# KiCad board JBX16SMD.kicad_pcb (continued)
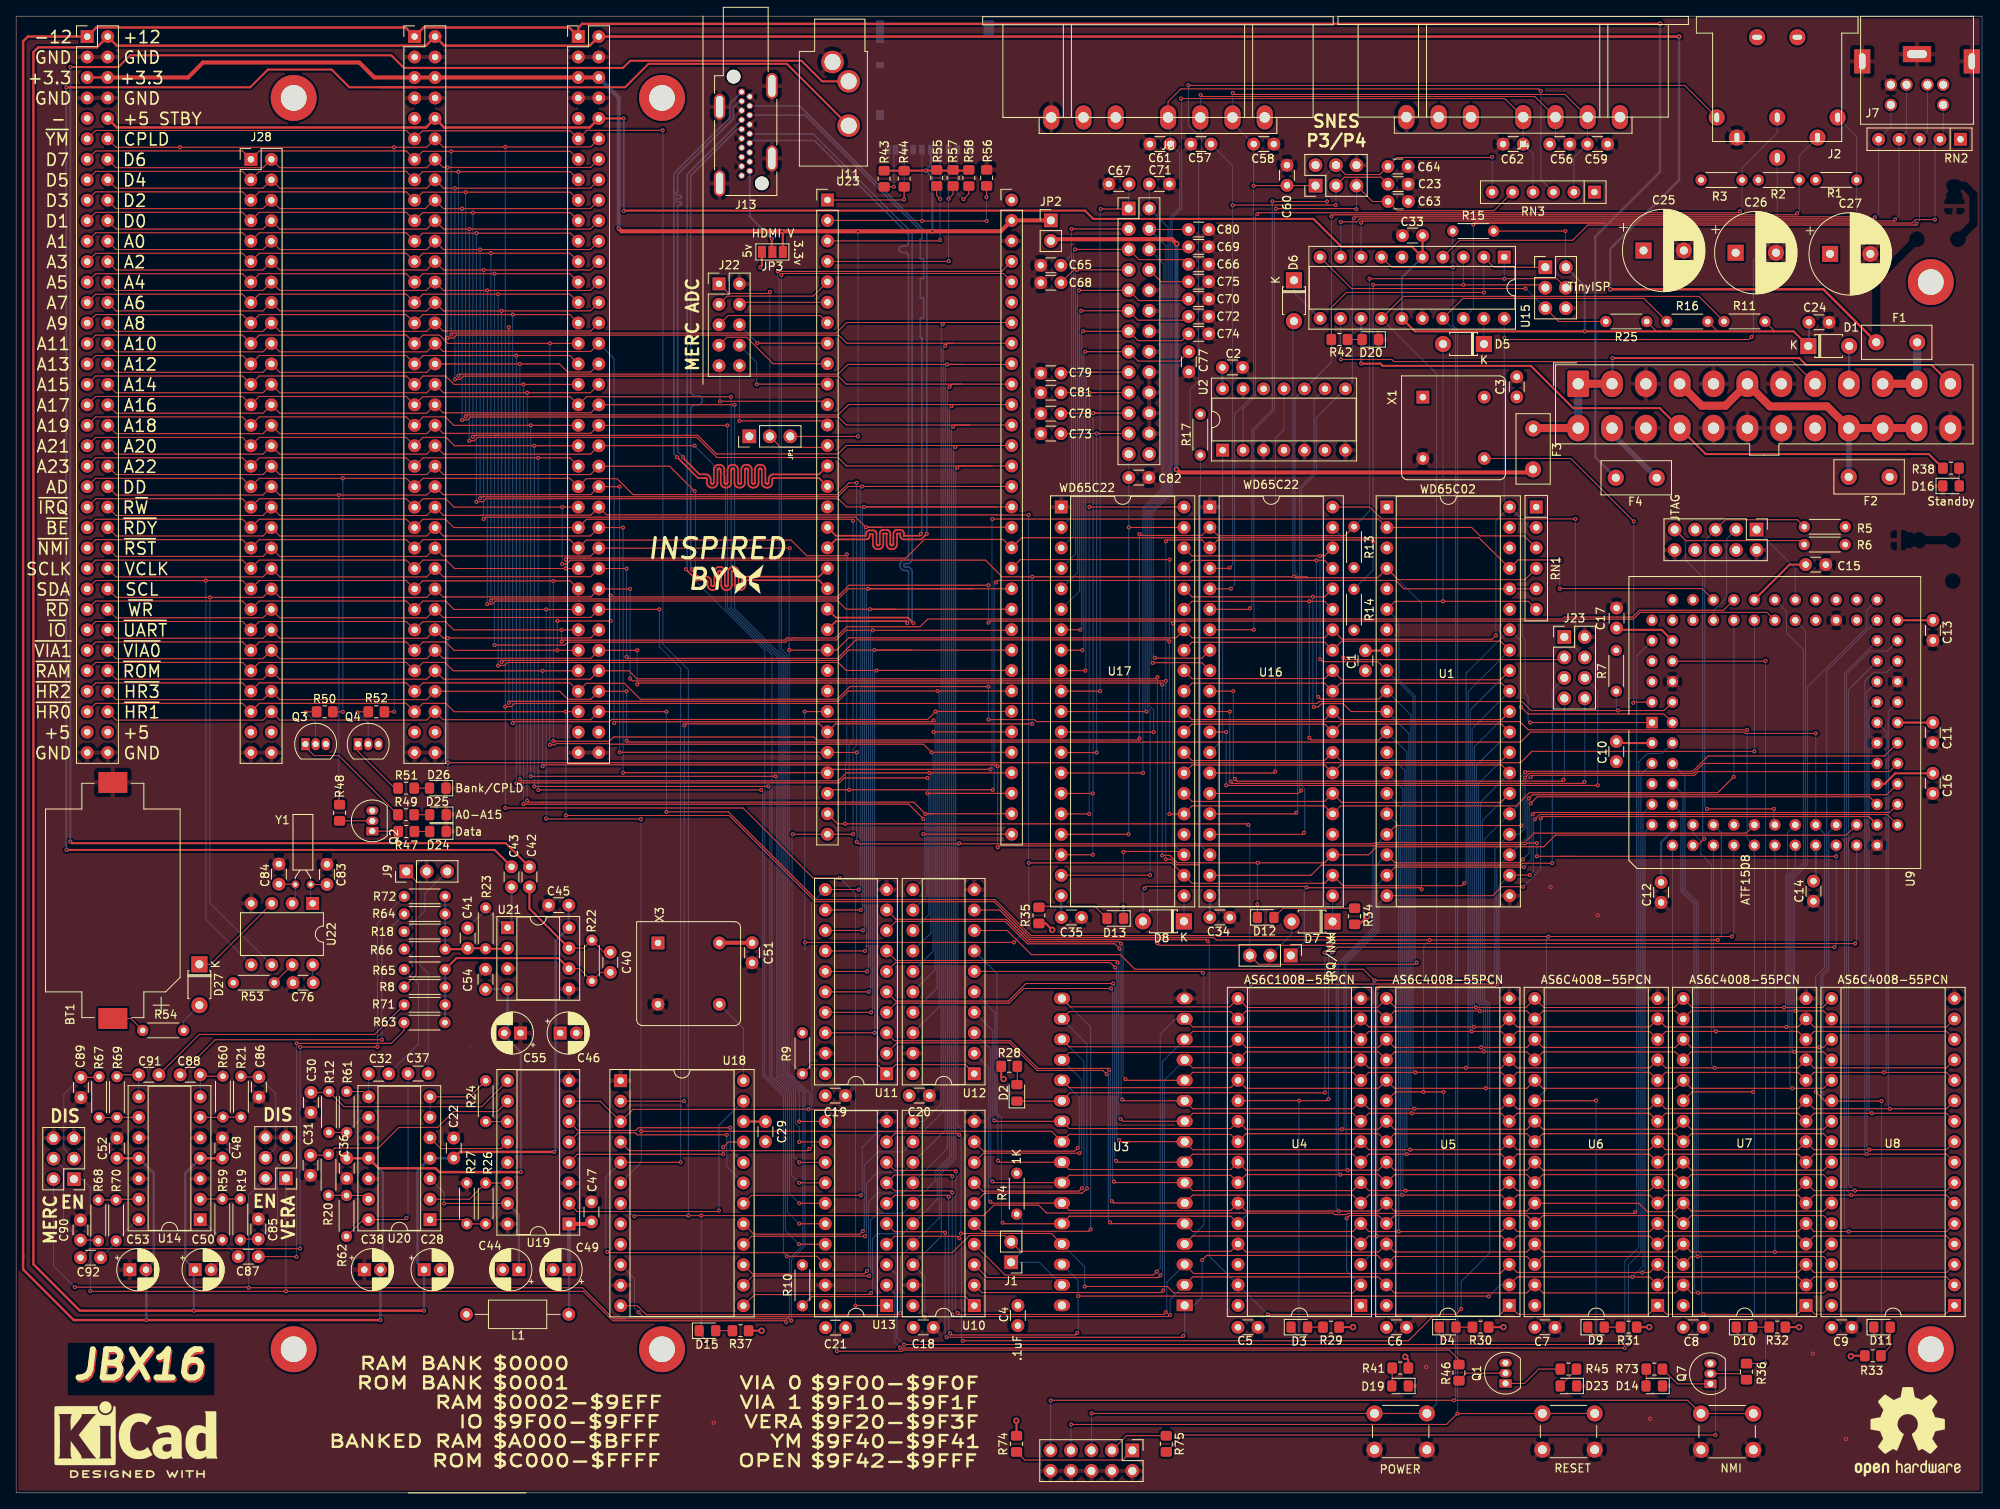
[diagram p0: board, top side]
## Routing (per net, layer and track width the routed paths; a pad name or vN(x,y) marks a point on that pad's centre or on a via; arc(x,y) is an arc through that point) (continued)
  Bottom w0.127: v1(53.56,164.56) v1(53.56,143.37) ; v1(105.1,32.49) 105.28,32.67 105.28,40.7 106.91,42.34 110.08,42.34 U10.12 115.08,47.34 115.08,142.15 v1(115.32,142.39)
bD7: length 287.6
  Top w0.127: 115.87,145.31 123.53,145.31 U23.58 ; 115.87,145.31 103.09,145.31 101.78,144 54.19,144 v1(54,143.81) ; 115.87,145.31 115.23,145.31 v1(115.01,145.09) ; J21.13 68.79,166.56 v1(54,166.56) 50.46,166.56 J12.13 48.42,166.61 30.18,166.61 J28.1 28.1,166.61 9.87,166.61 J20.13 ; v1(104.83,36.94) 91.28,36.94 U18.18
  Bottom w0.127: 54,144.57 54,144.3 ; 54,144.57 v1(54,166.56) ; 54,144.57 54,143.82 v1(54,143.81) ; v1(104.83,36.94) 105.02,37.14 105.02,42.93 106.9,44.81 110.01,44.81 U10.11 112.65,46.11 114.82,48.28 114.82,60.27 114.82,60.27 114.82,144.9 v1(115.01,145.09)
BE: length 246
  Top w0.127: v1(103.88,120.7) 103.69,120.88 70.82,120.88 J21.49 54.32,119.85 53.28,120.89 50.5,120.89 J12.49 48.42,120.89 30.18,120.89 J28.37 28.1,120.89 9.87,120.89 J20.49 ; U23.30 101.14,87.29 v1(103.39,87.29) v1(121.21,87.29) ; v1(121.59,113.04) 121.84,113.29 171.23,113.29 172.27,112.24 U1.36 RN1.5 188.68,112.25
  Bottom w0.127: v1(121.59,113.04) 121.38,112.83 121.38,87.46 v1(121.21,87.29) ; v1(103.88,120.7) 103.88,93.3 103.39,92.81 v1(103.39,87.29)
bUA16: length 175.9
  Top w0.127: J20.38 12.41,134.04 30.64,134.04 J28.26 32.72,134.04 50.96,134.04 J12.38 53,134.09 71.33,134.09 J21.38 72.33,135.09 v1(89.18,135.09) ; U13.11 97.21,46.11 v1(97.21,46.11)
  Bottom w0.127: v1(97.21,46.11) 97.21,49.79 95.19,51.81 95.19,103.77 89.18,109.79 v1(89.18,135.09)
bUA17: length 182.1
  Top w0.127: v1(88.74,136.09) 88.73,136.09 70.8,136.09 69.79,135.09 J21.37 68.78,136.09 50.46,136.09 J12.37 48.42,136.13 30.18,136.13 J28.25 28.1,136.13 9.87,136.13 J20.37 ; v1(97.21,43.57) 97.21,43.57 U13.12 100.42,43.56
  Bottom w0.127: v1(88.74,136.09) 88.74,109.87 94.94,103.66 94.94,51.7 96.76,49.88 96.76,45.86 97.21,45.41 v1(97.21,43.57)
bUA18: length 177.9
  Top w0.127: J20.40 12.41,131.5 30.64,131.5 J28.28 32.72,131.5 50.96,131.5 J12.40 52.99,131.55 71.33,131.55 J21.40 72.33,132.53 v1(88.3,132.53) ; U13.13 97.21,41.03 v1(97.21,41.03)
  Bottom w0.127: v1(97.21,41.03) 96.5,41.74 96.5,49.78 94.69,51.6 94.69,103.56 88.3,109.95 v1(88.3,132.53)
bUA19: length 192.4
  Top w0.127: v1(94.24,88.97) 63.87,88.97 v1(63.87,88.97) ; J21.39 v1(63.88,132.55) 54.32,132.55 53.28,133.59 50.5,133.59 J12.39 48.42,133.59 30.18,133.59 J28.27 28.1,133.59 9.87,133.59 J20.39 ; U13.14 v1(97.21,38.49)
  Bottom w0.127: v1(97.21,38.49) 96.25,39.45 96.25,49.67 94.43,51.49 94.43,88.78 v1(94.24,88.97) ; v1(63.88,132.55) 63.87,132.54 v1(63.87,88.97)
bUA20: length 178.1
  Top w0.127: J20.42 12.41,128.96 30.64,128.96 J28.30 32.72,128.96 50.96,128.96 J12.42 53.04,128.96 71.28,128.96 J21.42 72.33,130.01 v1(84.21,130.01) ; U13.15 v1(97.21,35.95)
  Bottom w0.127: v1(84.21,130.01) 88.04,126.18 88.04,109.84 93.8,104.08 93.8,51.76 95.99,49.57 95.99,37.17 v1(97.21,35.95)
bUA21: length 194
  Top w0.127: J20.41 9.87,131.05 28.1,131.05 J28.29 30.18,131.05 48.42,131.05 J12.41 50.5,131.05 53.37,131.05 54.41,130.01 v1(64.32,130.01) J21.41 ; v1(93.36,87.71) v1(64.32,87.71) ; U13.16 v1(97.21,33.41)
  Bottom w0.127: v1(93.36,87.71) 93.55,87.52 93.55,51.65 95.74,49.46 95.74,34.88 v1(97.21,33.41) ; v1(64.32,130.01) v1(64.32,87.71)
bUA22: length 178.8
  Top w0.127: v1(84.21,124.37) 81.11,127.47 J21.44 71.28,126.42 53.04,126.42 J12.44 50.96,126.42 32.72,126.42 J28.32 30.64,126.42 12.41,126.42 J20.44 ; U13.17 97.17,30.87 v1(97.17,30.87)
  Bottom w0.127: v1(97.17,30.87) 95.49,32.56 95.49,49.36 92.92,51.92 92.92,104.6 84.32,113.21 84.32,124.26 v1(84.21,124.37)
bUA23: length 196.9
  Top w0.127: J20.43 9.87,128.51 28.1,128.51 J28.31 30.18,128.51 48.42,128.51 J12.43 50.5,128.51 v1(64.8,128.51) 68.74,128.51 J21.43 ; U13.18 99.38,29.38 v1(95.67,29.38) ; v1(92.48,87.27) v1(64.81,87.27)
  Bottom w0.127: v1(64.81,87.27) 64.81,128.49 v1(64.8,128.51) ; v1(95.67,29.38) 95.23,29.82 95.23,49.25 92.67,51.82 92.67,87.08 v1(92.48,87.27)
CH1: length 26.6
  Top w0.127: U19.9 57.78,47.95 40.71,47.95 R12.2 38.72,49.73 C30.1
CH2: length 27.2
  Top w0.127: C31.1 38.67,41.93 R20.2 39.56,42.82 44.95,42.82 47.51,45.38 52.34,45.38 54.29,47.34 59.71,47.34 U19.10
CLK: length 46.7
  Top w0.127: v1(200.71,98.09) 200.8,98.18 U9.83 ; X1.5 192.97,128.42 v1(200.78,120.62)
  Bottom w0.127: v1(200.71,98.09) 200.78,98.16 v1(200.78,120.62)
clk+: length 86.5
  Top w0.2: U23.21 101.75,108.67 110.69,108.67 v1(111.36,108)
  Bottom w0.2: J13.10 98.9,168.73 111.21,156.42 111.21,115.96 111.2,115.83 111.15,115.7 111.08,115.59 110.99,115.49 110.87,115.42 110.75,115.38 110.61,115.36 110.35,115.36 110.31,115.36 110.27,115.35 110.23,115.32 110.2,115.29 110.18,115.26 110.17,115.22 110.16,115.18 110.16,115.15 110.17,115.11 110.18,115.07 110.2,115.03 110.23,115 110.27,114.98 110.31,114.97 110.35,114.96 110.61,114.96 110.75,114.95 110.87,114.9 110.99,114.83 111.08,114.74 111.15,114.62 111.2,114.5 111.21,114.36 111.21,108.15 v1(111.36,108)
clk-: length 86.5
  Top w0.2: U23.22 101.75,108.22 110.5,108.22 110.61,108.11 v1(110.61,108)
  Bottom w0.2: J13.12 91.38,167.9 99.1,167.9 110.76,156.24 110.76,155.2 110.75,155.11 110.72,155.03 110.67,154.95 110.61,154.89 110.54,154.84 110.45,154.81 110.36,154.8 110.01,154.8 109.92,154.79 109.84,154.76 109.76,154.71 109.7,154.65 109.65,154.57 109.62,154.49 109.61,154.4 109.62,154.31 109.65,154.23 109.7,154.15 109.76,154.09 109.84,154.04 109.92,154.01 110.01,154 110.36,154 110.45,153.99 110.54,153.96 110.61,153.91 110.67,153.85 110.72,153.77 110.75,153.69 110.76,153.6 110.76,116 110.76,115.96 110.74,115.92 110.72,115.88 110.69,115.85 110.66,115.83 110.62,115.82 110.57,115.81 110.31,115.81 110.18,115.8 110.05,115.75 109.94,115.68 109.84,115.59 109.77,115.47 109.73,115.35 109.71,115.21 109.71,115.11 109.73,114.98 109.77,114.85 109.84,114.74 109.94,114.64 110.05,114.57 110.18,114.53 110.31,114.51 110.57,114.51 110.62,114.51 110.66,114.5 110.69,114.47 110.72,114.44 110.74,114.41 110.76,114.37 110.76,114.33 110.76,108.15 v1(110.61,108)
CPLDACT: length 82.4
  Top w0.127: v1(210.94,7.18) 144.85,7.18 R75.2 ; Q7.1 206.21,13.53 204.37,15.37 R73.1
  Bottom w0.127: v1(210.94,7.18) 210.94,12.9 Q7.1
cpldEn: length 467.5
  Top w0.127: v1(102.23,76.35) 98.92,76.35 90.24,85.03 v1(60.72,85.03) ; R52.1 v1(46.93,96.97) ; J20.12 12.41,167.06 v1(20.33,167.06) v1(46.89,167.06) 50.96,167.06 J12.12 53.01,167.1 71.31,167.1 J21.12 ; U9.84 204.55,97.13 188.05,97.13 186.94,98.24 161.74,98.24 161.51,98.01 61.86,98.01 61.47,97.62 v1(60.72,97.62) ; U13.1 108.05,23.26 v1(104.19,23.26)
  Bottom w0.127: v1(198.84,97.14) 198.61,97.37 R7.2 ; v1(104.19,23.26) 104.19,23.26 104.19,74.39 v1(102.23,76.35) ; v1(60.72,167.11) v1(60.72,97.62) v1(60.72,85.03) ; 20.27,167.01 v1(20.33,167.06) ; v1(46.89,167.06) 46.93,167.03 v1(46.93,96.97)
D0: length 280.9
  Top w0.127: U8.13 239.6,52.77 223.16,52.77 U7.13 221.18,52.77 v1(210.82,52.77) 204.74,52.77 U6.13 202.76,52.77 186.32,52.77 U5.13 184.34,52.77 v1(179.94,52.77) 167.9,52.77 U4.13 165.92,52.77 146.03,52.77 U3.13 ; U1.33 184.26,105.74 164.52,105.74 U16.33 162.41,105.61 145.95,105.61 U17.33 ; v1(142.38,25.12) 142.13,24.87 119.85,24.87 U10.2
  Bottom w0.127: v1(142.38,25.12) 142.53,25.28 142.53,51.25 U3.13 ; v1(210.82,52.77) 210.42,53.17 210.42,78 209.1,79.32 209.1,80.97 208.13,81.93 U9.15 ; v1(179.94,52.77) 180.23,53.05 180.23,99.47 U1.33
d0+: length 87.2
  Top w0.2: U23.20 99.66,113.3 90.72,113.3 90.68,113.3 90.64,113.28 90.6,113.26 90.57,113.23 90.54,113.19 90.53,113.15 90.52,113.1 90.52,112.71 90.51,112.57 90.46,112.44 90.39,112.32 90.29,112.23 90.18,112.15 90.05,112.11 89.91,112.09 89.84,112.09 89.7,112.11 89.57,112.15 89.45,112.23 89.36,112.32 89.28,112.44 89.24,112.57 89.22,112.71 89.22,114.31 89.22,114.35 89.2,114.39 89.18,114.43 89.15,114.46 89.11,114.49 89.07,114.5 89.02,114.51 88.98,114.5 88.94,114.49 88.9,114.46 88.87,114.43 88.84,114.39 88.83,114.35 88.82,114.31 88.82,112.71 88.81,112.57 88.76,112.44 88.69,112.32 88.59,112.23 88.48,112.15 88.35,112.11 88.21,112.09 88.14,112.09 88,112.11 87.87,112.15 87.75,112.23 87.66,112.32 87.58,112.44 87.54,112.57 87.52,112.71 87.52,114.31 87.52,114.35 87.5,114.39 87.48,114.43 87.45,114.46 87.41,114.49 87.37,114.5 87.32,114.51 87.28,114.5 87.24,114.49 87.2,114.46 87.17,114.43 87.14,114.39 87.13,114.35 87.12,114.31 87.12,112.71 87.11,112.57 87.06,112.44 86.99,112.32 86.89,112.23 86.78,112.15 86.65,112.11 86.51,112.09 86.44,112.09 86.3,112.11 86.17,112.15 86.05,112.23 85.96,112.32 85.88,112.44 85.84,112.57 85.82,112.71 85.82,113.1 85.82,113.15 85.8,113.19 85.78,113.23 85.75,113.26 85.71,113.28 85.67,113.3 85.62,113.3 84.5,113.3 v1(83.13,114.67)
  Bottom w0.2: J13.7 83.28,163.69 83.28,114.82 v1(83.13,114.67)
d0-: length 87.2
  Top w0.2: U23.19 99.66,113.75 90.69,113.75 90.55,113.74 90.42,113.69 90.3,113.62 90.21,113.52 90.13,113.4 90.09,113.27 90.07,113.14 90.07,112.74 90.07,112.7 90.05,112.66 90.03,112.62 90,112.59 89.96,112.56 89.92,112.55 89.87,112.54 89.83,112.55 89.79,112.56 89.75,112.59 89.72,112.62 89.69,112.66 89.68,112.7 89.67,112.74 89.67,114.35 89.66,114.48 89.61,114.61 89.54,114.73 89.44,114.82 89.33,114.9 89.2,114.94 89.06,114.96 88.99,114.96 88.85,114.94 88.72,114.9 88.6,114.82 88.51,114.73 88.43,114.61 88.39,114.48 88.37,114.35 88.37,112.74 88.37,112.7 88.35,112.66 88.33,112.62 88.3,112.59 88.26,112.56 88.22,112.55 88.17,112.54 88.13,112.55 88.09,112.56 88.05,112.59 88.02,112.62 87.99,112.66 87.98,112.7 87.97,112.74 87.97,114.35 87.96,114.48 87.91,114.61 87.84,114.73 87.74,114.82 87.63,114.9 87.5,114.94 87.36,114.96 87.29,114.96 87.15,114.94 87.02,114.9 86.9,114.82 86.81,114.73 86.73,114.61 86.69,114.48 86.67,114.35 86.67,112.74 86.67,112.7 86.65,112.66 86.63,112.62 86.6,112.59 86.56,112.56 86.52,112.55 86.47,112.54 86.43,112.55 86.39,112.56 86.35,112.59 86.32,112.62 86.29,112.66 86.28,112.7 86.27,112.74 86.27,113.14 86.26,113.27 86.21,113.4 86.14,113.52 86.04,113.62 85.93,113.69 85.8,113.74 85.66,113.75 84.69,113.75 83.88,114.56 v1(83.88,114.67)
  Bottom w0.2: J13.9 89.5,169.31 83.73,163.54 83.73,136.8 83.74,136.67 83.79,136.55 83.85,136.44 83.95,136.35 84.05,136.28 84.18,136.24 84.3,136.22 84.61,136.22 84.73,136.21 84.86,136.17 84.96,136.1 85.06,136.01 85.12,135.9 85.17,135.78 85.18,135.65 85.17,135.52 85.12,135.4 85.06,135.29 84.96,135.2 84.86,135.13 84.73,135.09 84.61,135.07 84.3,135.07 84.18,135.06 84.05,135.02 83.95,134.95 83.85,134.86 83.79,134.75 83.74,134.63 83.73,134.5 83.73,114.82 v1(83.88,114.67)
D1: length 266.4
  Top w0.127: U3.14 146.03,57.29 165.92,57.29 U4.14 167.9,57.29 184.34,57.29 U5.14 186.32,57.29 202.76,57.29 U6.14 204.74,57.29 v1(210.98,57.29) 221.18,57.29 U7.14 223.16,57.29 239.6,57.29 U8.14 ; U10.3 120.53,26.74 141.76,26.74 v1(142.02,27) ; U1.32 184.25,100.95 164.53,100.95 U16.32 162.41,101.09 145.95,101.09 U17.32
  Bottom w0.127: v1(142.02,27) 142.27,27.25 142.27,53.53 U3.14 ; U1.32 180.48,97.18 180.48,57.48 v1(180.67,57.29) ; U9.16 210.67,57.6 v1(210.98,57.29)
d1+: length 86.5
  Top w0.2: U23.18 101.75,118.38 105.51,118.38 105.61,118.39 105.7,118.42 105.78,118.47 105.84,118.54 105.89,118.62 105.92,118.71 105.94,118.8 105.94,119.05 106.34,119.05 106.34,117.77 106.36,117.64 106.4,117.51 106.48,117.39 106.57,117.3 106.69,117.22 106.82,117.18 106.95,117.16 107.03,117.16 107.17,117.18 107.29,117.22 107.41,117.3 107.51,117.39 107.58,117.51 107.63,117.64 107.64,117.77 107.64,119.08 107.64,119.09 107.65,119.09 107.66,119.1 107.66,119.1 108.02,119.1 108.03,119.1 108.04,119.09 108.04,119.08 108.04,119.08 108.04,117.77 108.06,117.64 108.1,117.51 108.18,117.39 108.27,117.3 108.39,117.22 108.52,117.18 108.65,117.16 108.73,117.16 108.87,117.18 108.99,117.22 109.11,117.3 109.21,117.39 109.28,117.51 109.33,117.64 109.34,117.77 109.34,118.61 109.34,118.61 109.34,119.08 109.35,119.09 109.35,119.09 109.36,119.1 109.37,119.1 109.72,119.1 109.73,119.1 109.74,119.09 109.74,119.08 109.74,119.08 109.74,118.83 109.76,118.73 109.79,118.63 109.84,118.55 109.91,118.48 110,118.42 110.09,118.39 110.19,118.38 112.34,118.38 v1(113.03,119.08)
  Bottom w0.2: v1(113.03,119.08) 113.03,156.41 97.25,172.2 J13.4
d1-: length 86.2
  Top w0.2: v1(112.28,119.08) 112.28,118.96 112.15,118.83 110.22,118.83 110.21,118.83 110.2,118.84 110.2,118.85 110.19,118.85 110.19,119.1 110.18,119.2 110.15,119.3 110.1,119.38 110.03,119.45 109.94,119.51 109.85,119.54 109.75,119.55 109.34,119.55 109.24,119.54 109.15,119.51 109.06,119.45 108.99,119.38 108.94,119.3 108.91,119.2 108.89,119.1 108.89,118.61 108.89,118.61 108.89,117.81 108.89,117.77 108.87,117.73 108.85,117.69 108.82,117.66 108.78,117.63 108.74,117.62 108.69,117.61 108.65,117.62 108.6,117.63 108.57,117.66 108.54,117.69 108.51,117.73 108.5,117.77 108.49,117.81 108.49,119.1 108.48,119.2 108.45,119.3 108.39,119.38 108.32,119.45 108.24,119.51 108.15,119.54 108.05,119.55 107.64,119.55 107.54,119.54 107.44,119.51 107.36,119.45 107.29,119.38 107.24,119.3 107.2,119.2 107.19,119.1 107.19,117.81 107.19,117.77 107.17,117.73 107.15,117.69 107.12,117.66 107.08,117.63 107.04,117.62 106.99,117.61 106.95,117.62 106.9,117.63 106.87,117.66 106.84,117.69 106.81,117.73 106.8,117.77 106.79,117.81 106.79,119.08 106.78,119.17 106.75,119.26 106.7,119.34 106.63,119.41 106.55,119.46 106.46,119.49 106.37,119.5 105.91,119.5 105.82,119.49 105.73,119.46 105.65,119.41 105.58,119.34 105.53,119.26 105.5,119.17 105.49,119.08 105.49,118.83 104.06,118.83 101.75,118.83 U23.17
  Bottom w0.2: J13.6 97.94,171.04 112.43,156.55 112.43,155.77 112.43,155.75 112.42,155.72 112.41,155.71 112.4,155.69 112.38,155.68 112.36,155.67 112.31,155.66 112.29,155.66 112.27,155.65 112.26,155.63 112.24,155.61 112.24,155.59 112.23,155.57 112.23,153.32 112.24,153.3 112.24,153.27 112.26,153.26 112.27,153.24 112.29,153.23 112.31,153.22 112.33,153.22 112.53,153.22 112.56,153.21 112.58,153.21 112.6,153.2 112.61,153.18 112.62,153.16 112.63,153.14 112.63,153.12 112.63,150.87 112.63,150.85 112.62,150.82 112.61,150.81 112.6,150.79 112.58,150.78 112.56,150.77 112.53,150.77 112.33,150.77 112.31,150.76 112.29,150.76 112.27,150.75 112.26,150.73 112.24,150.71 112.24,150.69 112.23,150.67 112.23,148.42 112.24,148.4 112.24,148.37 112.26,148.36 112.27,148.34 112.29,148.33 112.31,148.32 112.33,148.32 112.53,148.32 112.56,148.31 112.58,148.31 112.6,148.3 112.61,148.28 112.62,148.26 112.63,148.24 112.63,148.22 112.63,145.97 112.63,145.95 112.62,145.92 112.61,145.91 112.6,145.89 112.58,145.88 112.56,145.87 112.53,145.87 112.33,145.87 112.31,145.86 112.29,145.86 112.27,145.85 112.26,145.83 112.24,145.81 112.24,145.79 112.23,145.77 112.23,143.52 112.24,143.5 112.24,143.47 112.26,143.46 112.27,143.44 112.29,143.43 112.31,143.42 112.36,143.41 112.38,143.41 112.4,143.4 112.41,143.38 112.42,143.36 112.43,143.34 112.43,143.32 112.43,119.23 v1(112.28,119.08)
D2: length 266.3
  Top w0.127: U10.4 122.76,27.05 141.16,27.05 v1(141.58,27.48) ; U17.31 145.95,100.53 162.41,100.53 U16.31 164.39,100.53 184.39,100.53 U1.31 ; U3.15 146.03,57.85 165.92,57.85 U4.15 167.9,57.85 v1(180.95,57.85) 184.34,57.85 U5.15 186.32,57.85 202.76,57.85 U6.15 204.74,57.85 221.18,57.85 U7.15 223.16,57.85 239.6,57.85 U8.15
  Bottom w0.127: v1(219.73,57.85) 219.92,58.04 219.92,76.68 220.83,77.59 U9.24 ; v1(180.95,57.85) 180.73,58.07 180.73,94.9 U1.31 ; v1(141.58,27.48) 142.01,27.9 142.01,56.93 143.92,58.84 U3.15
d2+: length 87.2
  Top w0.2: U23.15 99.66,126 94.05,126 94.01,126 93.97,125.98 93.93,125.96 93.9,125.93 93.87,125.89 93.86,125.85 93.85,125.8 93.85,125.42 93.84,125.28 93.79,125.15 93.72,125.03 93.62,124.94 93.51,124.86 93.38,124.82 93.24,124.8 93.17,124.8 93.03,124.82 92.9,124.86 92.78,124.94 92.69,125.03 92.61,125.15 92.57,125.28 92.55,125.42 92.55,127 92.55,127.04 92.53,127.08 92.51,127.12 92.48,127.15 92.44,127.18 92.4,127.19 92.35,127.2 92.31,127.19 92.27,127.18 92.23,127.15 92.2,127.12 92.17,127.08 92.16,127.04 92.15,127 92.15,125.42 92.14,125.28 92.09,125.15 92.02,125.03 91.92,124.94 91.81,124.86 91.68,124.82 91.54,124.8 91.47,124.8 91.33,124.82 91.2,124.86 91.08,124.94 90.99,125.03 90.91,125.15 90.87,125.28 90.85,125.42 90.85,127 90.85,127.04 90.83,127.08 90.81,127.12 90.78,127.15 90.74,127.18 90.7,127.19 90.65,127.2 90.61,127.19 90.57,127.18 90.53,127.15 90.5,127.12 90.47,127.08 90.46,127.04 90.45,127 90.45,125.42 90.44,125.28 90.39,125.15 90.32,125.03 90.22,124.94 90.11,124.86 89.98,124.82 89.84,124.8 89.77,124.8 89.63,124.82 89.5,124.86 89.38,124.94 89.29,125.03 89.21,125.15 89.17,125.28 89.15,125.42 89.15,127 89.15,127.04 89.13,127.08 89.11,127.12 89.08,127.15 89.04,127.18 89,127.19 88.95,127.2 88.91,127.19 88.87,127.18 88.83,127.15 88.8,127.12 88.77,127.08 88.76,127.04 88.75,127 88.75,125.42 88.74,125.28 88.69,125.15 88.62,125.03 88.52,124.94 88.41,124.86 88.28,124.82 88.14,124.8 88.07,124.8 87.93,124.82 87.8,124.86 87.68,124.94 87.59,125.03 87.51,125.15 87.47,125.28 87.45,125.42 87.45,127 87.45,127.04 87.43,127.08 87.41,127.12 87.38,127.15 87.34,127.18 87.3,127.19 87.25,127.2 87.21,127.19 87.17,127.18 87.13,127.15 87.1,127.12 87.07,127.08 87.06,127.04 87.05,127 87.05,125.42 87.04,125.28 86.99,125.15 86.92,125.03 86.82,124.94 86.71,124.86 86.58,124.82 86.44,124.8 86.37,124.8 86.23,124.82 86.1,124.86 85.98,124.94 85.89,125.03 85.81,125.15 85.77,125.28 85.75,125.42 85.75,125.8 85.75,125.85 85.73,125.89 85.71,125.93 85.68,125.96 85.64,125.98 85.6,126 85.55,126 84.63,126 v1(82.04,128.59)
  Bottom w0.2: v1(82.04,128.59) 81.63,129 81.63,163.79 88.57,170.73 88.57,172.45 J13.1
d2-: length 87
  Top w0.2: U23.14 99.66,126.45 94.02,126.45 93.88,126.44 93.75,126.39 93.63,126.32 93.54,126.22 93.46,126.1 93.42,125.97 93.4,125.84 93.4,125.45 93.4,125.41 93.38,125.37 93.36,125.33 93.33,125.3 93.29,125.27 93.25,125.26 93.2,125.25 93.16,125.26 93.12,125.27 93.08,125.3 93.05,125.33 93.02,125.37 93.01,125.41 93,125.45 93,127.03 92.99,127.17 92.94,127.3 92.87,127.42 92.77,127.51 92.66,127.59 92.53,127.63 92.39,127.65 92.32,127.65 92.18,127.63 92.05,127.59 91.93,127.51 91.84,127.42 91.76,127.3 91.72,127.17 91.7,127.03 91.7,125.45 91.7,125.41 91.68,125.37 91.66,125.33 91.63,125.3 91.59,125.27 91.55,125.26 91.5,125.25 91.46,125.26 91.42,125.27 91.38,125.3 91.35,125.33 91.32,125.37 91.31,125.41 91.3,125.45 91.3,127.03 91.29,127.17 91.24,127.3 91.17,127.42 91.07,127.51 90.96,127.59 90.83,127.63 90.69,127.65 90.62,127.65 90.48,127.63 90.35,127.59 90.23,127.51 90.14,127.42 90.06,127.3 90.02,127.17 90,127.03 90,125.45 90,125.41 89.98,125.37 89.96,125.33 89.93,125.3 89.89,125.27 89.85,125.26 89.8,125.25 89.76,125.26 89.72,125.27 89.68,125.3 89.65,125.33 89.62,125.37 89.61,125.41 89.6,125.45 89.6,127.03 89.59,127.17 89.54,127.3 89.47,127.42 89.37,127.51 89.26,127.59 89.13,127.63 88.99,127.65 88.92,127.65 88.78,127.63 88.65,127.59 88.53,127.51 88.44,127.42 88.36,127.3 88.32,127.17 88.3,127.03 88.3,125.45 88.3,125.41 88.28,125.37 88.26,125.33 88.23,125.3 88.19,125.27 88.15,125.26 88.1,125.25 88.06,125.26 88.02,125.27 87.98,125.3 87.95,125.33 87.92,125.37 87.91,125.41 87.9,125.45 87.9,127.03 87.89,127.17 87.84,127.3 87.77,127.42 87.67,127.51 87.56,127.59 87.43,127.63 87.29,127.65 87.22,127.65 87.08,127.63 86.95,127.59 86.83,127.51 86.74,127.42 86.66,127.3 86.62,127.17 86.6,127.03 86.6,125.45 86.6,125.41 86.58,125.37 86.56,125.33 86.53,125.3 86.49,125.27 86.45,125.26 86.4,125.25 86.36,125.26 86.32,125.27 86.28,125.3 86.25,125.33 86.22,125.37 86.21,125.41 86.2,125.45 86.2,125.84 86.19,125.97 86.14,126.1 86.07,126.22 85.97,126.32 85.86,126.39 85.73,126.44 85.59,126.45 84.82,126.45 82.79,128.48 v1(82.79,128.59)
  Bottom w0.2: J13.3 89.79,172.78 89.02,172.01 89.02,170.61 82.11,163.7 82.11,161.58 82.11,161.56 82.11,161.54 82.1,161.53 82.08,161.52 82.07,161.51 82.05,161.5 82.02,161.5 82,161.5 81.99,161.49 81.98,161.47 81.97,161.46 81.96,161.44 81.96,161.43 81.96,161.18 81.96,161.16 81.97,161.14 81.98,161.13 81.99,161.12 82,161.11 82.02,161.1 82.04,161.1 82.36,161.1 82.41,161.1 82.45,161.08 82.49,161.06 82.52,161.03 82.54,160.99 82.56,160.95 82.56,160.9 82.56,160.86 82.54,160.82 82.52,160.78 82.49,160.75 82.45,160.72 82.41,160.71 82.36,160.7 82.04,160.7 82.02,160.7 82,160.7 81.99,160.69 81.98,160.67 81.97,160.66 81.96,160.64 81.96,160.63 81.96,160.38 81.96,160.36 81.97,160.34 81.98,160.33 81.99,160.32 82,160.31 82.02,160.3 82.04,160.3 82.36,160.3 82.41,160.3 82.45,160.28 82.49,160.26 82.52,160.23 82.54,160.19 82.56,160.15 82.56,160.1 82.56,160.06 82.54,160.02 82.52,159.98 82.49,159.95 82.45,159.92 82.41,159.91 82.36,159.9 82.31,159.9 82.27,159.9 82.23,159.88 82.19,159.86 82.16,159.83 82.13,159.79 82.12,159.75 82.11,159.7 82.11,129.27 v1(82.79,128.59)
D3: length 249.1
  Top w0.127: U8.17 224.23,60.26 208.04,60.26 U7.17 205.81,60.26 189.62,60.26 U6.17 187.39,60.26 171.2,60.26 U5.17 168.97,60.26 152.78,60.26 U4.17 150.63,60.34 130.84,60.34 U3.17 ; U1.30 184.39,96.01 164.39,96.01 U16.30 162.41,96.01 145.95,96.01 U17.30 ; U10.5 119.87,32.47 133.14,32.47 v1(133.37,32.71)
  Bottom w0.127: v1(219.43,60.27) 219.66,60.5 219.66,76.78 219.87,76.99 219.87,81.98 U9.25 ; U1.30 180.99,92.61 180.99,60.46 v1(181.18,60.27) ; U3.17 133.37,57.81 v1(133.37,32.71)
D4: length 270.6
  Top w0.127: U10.6 120.19,37.21 132.32,37.21 v1(132.9,37.8) ; U8.18 224.36,59.83 207.92,59.83 U7.18 205.94,59.83 189.5,59.83 U6.18 187.52,59.83 171.08,59.83 U5.18 169.1,59.83 152.66,59.83 U4.18 150.76,59.75 130.71,59.75 U3.18 ; U1.29 184.39,95.45 164.39,95.45 U16.29 162.41,95.45 145.95,95.45 U17.29
  Bottom w0.127: v1(132.9,37.8) 132.9,55.74 U3.18 ; U9.54 229.71,109.6 229.71,107.42 222.34,100.05 222.34,78.02 220.68,76.36 220.68,60.03 v1(220.89,59.82) ; U1.29 181.24,90.32 181.24,60.91 181.68,60.48 181.68,59.83 v1(181.68,59.82)
D5: length 269.9
  Top w0.127: U8.19 224.36,55.31 207.92,55.31 U7.19 205.94,55.31 189.5,55.31 U6.19 187.52,55.31 v1(181.83,55.31) 171.08,55.31 U5.19 169.1,55.31 152.66,55.31 U4.19 150.76,55.39 130.71,55.39 U3.19 ; v1(132.28,37.83) 131.92,37.47 119.96,37.47 U10.7 ; U1.28 184.39,90.93 164.39,90.93 U16.28 162.41,90.93 145.95,90.93 U17.28
  Bottom w0.127: U1.28 181.5,88.04 181.5,61.04 182.12,60.41 182.12,55.6 v1(181.83,55.31) ; v1(223.83,55.31) 224.02,55.5 224.02,64.31 224.73,65.03 224.73,102.08 U9.55 ; v1(132.28,37.83) 132.53,38.08 132.53,53.58 U3.19
D6: length 259.2
  Top w0.127: U3.20 130.71,54.67 150.76,54.67 U4.20 152.66,54.75 169.1,54.75 U5.20 171.08,54.75 187.52,54.75 U6.20 189.5,54.75 205.94,54.75 U7.20 207.92,54.75 v1(220.7,54.75) 224.36,54.75 U8.20 ; U17.27 145.95,90.37 162.41,90.37 U16.27 164.39,90.37 184.39,90.37 U1.27 ; v1(131.99,42.18) 120.08,42.18 U10.8
  Bottom w0.127: v1(131.99,42.18) 132.24,42.43 132.24,51.33 U3.20 ; U9.63 222.09,107.08 222.09,78.13 220.43,76.47 220.43,55.02 v1(220.7,54.75) ; U1.27 181.75,85.75 181.75,61.15 182.38,60.52 182.38,54.98 v1(182.2,54.8)
D7: length 265.9
  Top w0.127: U3.21 130.71,50.31 150.76,50.31 U4.21 152.66,50.23 169.1,50.23 U5.21 171.08,50.23 v1(182.41,50.23) 187.52,50.23 U6.21 189.5,50.23 205.94,50.23 U7.21 207.92,50.23 v1(220.46,50.23) 224.36,50.23 U8.21 ; v1(131.77,42.82) 131.38,42.43 120.08,42.43 U10.9 ; U1.26 184.27,85.73 164.51,85.73 U16.26 162.41,85.85 145.95,85.85 U17.26
  Bottom w0.127: v1(220.46,50.23) 220.17,50.52 220.17,76.57 221.84,78.23 221.84,104.67 219.74,106.76 219.74,109.43 U9.64 ; v1(131.77,42.82) 131.96,43.02 131.96,49.07 129.81,51.22 U3.21 ; v1(182.41,50.23) 182.64,50.46 182.64,60.61 182,61.25 182,83.47 U1.26
DATDD: length 371.2
  Top w0.127: 74.66,124.93 v1(74.89,124.93) ; 74.66,124.93 74.66,124.92 ; 74.66,124.93 J21.46 71.33,123.93 53,123.93 J12.46 50.96,123.88 v1(40.05,123.88) 32.72,123.88 J28.34 30.64,123.88 12.41,123.88 J20.46 ; R48.1 40.07,85.51 v1(40.07,87.04) ; U9.21 214.72,81.91 188.41,81.91 187.23,80.73 168.64,80.73 168.49,80.58 104.58,80.58 v1(104.33,80.83) ; U10.1 117.81,24.37 98.74,24.37 R10.2 ; v1(104.33,91.93) 100.71,91.93 U23.28 100.69,91.95 v1(74.89,91.95)
  Bottom w0.127: v1(117.07,80.64) 116.88,80.46 116.88,45.56 117.72,44.72 117.72,24.47 U10.1 ; v1(74.89,124.93) v1(74.89,91.95) ; v1(104.33,80.83) v1(104.33,91.93) ; v1(40.07,87.04) 40.05,87.05 v1(40.05,123.88)
FPGA_33: length 197
  Top w0.127: v1(104.49,131.16) 96.1,131.16 JP1.3
  Top w0.254: v1(95.07,156.63) 95.17,156.53 JP3.1 ; R58.1 118.17,164.16 R44.1 110.22,164.15 R43.1
  Top w0.3: J20.6 J20.5
  Top w0.5: JP2.1 123.57,157.98 U23.63 122.22,156.63 v1(113.73,156.63) 113.72,156.63 v1(104.47,156.63) v1(95.07,156.63) 75.14,156.63 v1(74.79,156.98) ; J21.6 J21.5 J12.6 J12.5 44.46,175.73 42.6,177.59 23.2,177.59 21.34,175.73 J20.6
  Bottom w0.127: v1(104.47,156.63) 104.49,156.61 v1(104.49,131.16)
  Bottom w0.254: J16.4 113.54,164.82 v1(112.88,164.16) 113.73,163.31 v1(113.73,156.63)
  Bottom w0.5: J21.6 74.79,173.25 v1(74.79,156.98)
HIRA0: length 299.7
  Top w0.127: U5.22 171.19,49.79 v1(174.7,49.79) v1(177.18,49.79) ; v1(211.2,68.64) v1(175.44,68.64) 148.95,68.64 148.66,68.93 125.85,68.93 121.39,73.4 99.2,73.4 88.5,84.1 v1(68.23,84.1) ; v1(177.18,19.12) 176.65,19.65 D4.1 ; J20.67 9.87,98.03 28.1,98.03 J28.55 30.18,98.03 48.42,98.03 J12.67 50.5,98.03 53.33,98.03 54.37,96.99 v1(68.23,96.99) J21.67
  Bottom w0.127: v1(177.18,49.79) v1(177.18,19.12) ; v1(175.44,68.64) 174.7,67.89 v1(174.7,49.79) ; v1(211.2,68.64) 211.65,69.08 211.65,81.96 U9.17 ; v1(68.23,96.99) v1(68.23,84.1)
